# Altium PCB project_pankov_control_board.PcbDoc (part 1 of 2) (continued)
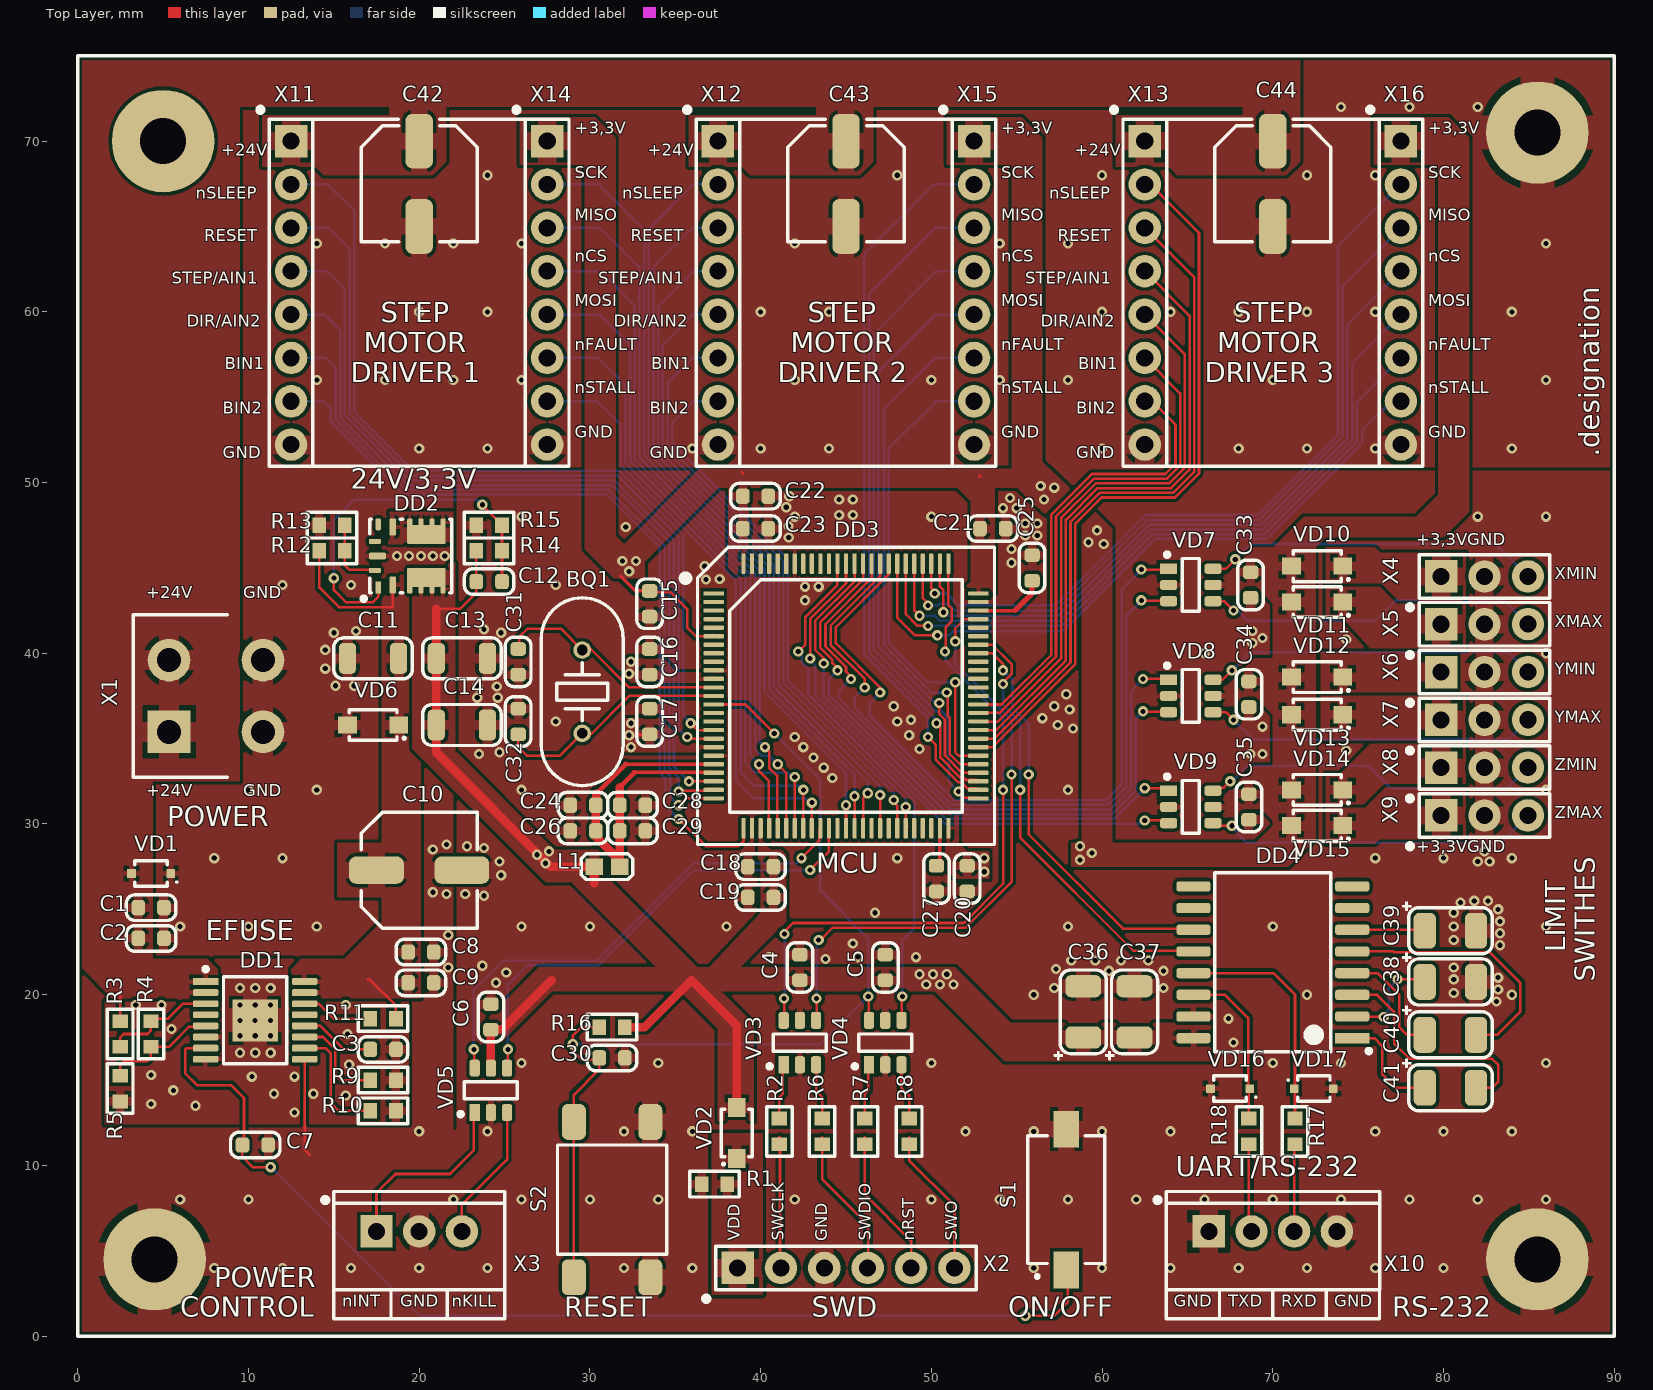
[diagram p0: Top Layer view]
## Components (designator, comment, footprint, x,y, rotation, side; value= is the part's Value field where it differs from the comment) (continued)
X14 "DS1023-1x8SF11" DS1023-1X8SF11 27.5,61.11 r270 top
X15 "DS1023-1x8SF11" DS1023-1X8SF11 52.5,61.11 r270 top
X16 "DS1023-1x8SF11" DS1023-1X8SF11 77.5,61.11 r270 top

## Footprints (in the part's own frame and the unit in brackets; to place one, negate y for a bottom-side part, rotate by r counter-clockwise, add the part's x,y. Pads: shape width x height; smd on the part's side, far side on the other; paste and mask are expansions set on the pad)
4-1775099-0 [mm] "ATX Power 4 Pins Mount Header, V/A Type"
  rect 2.5x2.5 hole 1.4: 1(-2.1,2.65)
  round 2.5 hole 1.4: 2(2.1,2.65) 3(-2.1,-2.85) 4(2.1,-2.85)
  silkscreen extent -4.75,-0.75 4.75,4.75, body extent -5.1,-6.1 4.75,4.8, height 12.8
BLM-2-0603 [mm] "Chip Inductor, 2-Leads, Body 1,60x0,80mm, IPC Medium Density"
  rect 1.02x0.98 smd: 1(-0.74,0) 2(0.74,0)
  silkscreen extent -1.5,-0.75 1.5,0.75, body extent -0.8,-0.37 0.8,0.38, height 0.8
C0603 [mm] "Chip Capacitor, 2-Leads, Body 1,60x0,80mm, IPC Medium Density"
  rrect50% 0.8x0.9 smd: 1(-0.75,0) 2(0.75,0)
  silkscreen extent -1.45,-0.75 1.45,0.75, body extent -0.8,-0.4 0.8,0.4, height 0.8
C1206 [mm] "Chip Capacitor, 2-Leads, Body 3,20x1,60mm, IPC Medium Density"
  rrect50% 1x1.8 smd: 1(-1.5,0) 2(1.5,0)
  silkscreen extent -2.3,-1.2 2.3,1.2, body extent -1.6,-0.8 1.6,0.8, height 0.78
C3216-18 [mm] "Chip Tantalum Capacitor, 2-Leads, Body 3,20x1,60mm, IPC Medium Density"
  rrect50% 1.3x2.1 smd: 1(-1.5,0) 2(1.5,0)
  silkscreen extent -2.8,-1.35 2.45,1.7, body extent -1.7,-0.95 1.7,0.95, height 1.83
CAPAE-660X660X800 [mm] "Aluminum Electrolytic Capacitor, Body 6,60x6,60x8,00mm, IPC Low Density"
  rrect50% 3.2x1.6 smd: 1(-2.5,0) 2(2.5,0)
  silkscreen extent -3.4,-3.4 3.4,3.4, body extent -3.65,-3.3 3.65,3.3, height 7.7
DS1021-1X3SF11-B [mm] "PLS 3 Pins 2,54mm Plug Header V/T Type"
  rect 1.9x1.9 hole 1: 1(-2.54,0)
  round 1.9 hole 1: 2(0,0) 3(2.545,0.005)
  silkscreen extent -4.37,-1.8 3.82,1.28, body extent -3.81,-1.27 3.81,1.27, height 8.59
DS1021-1X6SF11-B [mm] "PLS 6 Pins 2,54mm Plug Header V/T Type"
  rect 1.9x1.9 hole 1: 1(-6.35,0)
  round 1.9 hole 1: 2(-3.81,0) 3(-1.27,0) 4(1.27,0) 5(3.81,0) 6(6.35,0)
  silkscreen extent -8.18,-1.8 7.62,1.27, body extent -7.62,-1.27 7.62,1.27, height 8.54
DS1023-1X8SF11 [mm] "PBS 8 Pins 2,54mm Socket Header V/T Blanking Type"
  rect 1.9x1.9 hole 1: 1(-8.89,0)
  round 1.9 hole 1: 2(-6.35,0) 3(-3.81,0) 4(-1.27,0) 5(1.27,0) 6(3.81,0) 7(6.35,0) 8(8.89,0)
  silkscreen extent -10.72,-1.8 10.17,1.28, body extent -10.16,-1.27 10.16,1.27, height 8.5
DS1069-3MVW6X [mm] "CWF 3 Pins Plug Header, Pitch 2,5mm, V/T Type"
  rect 1.9x1.9 hole 1: 1(-2.499,0.537)
  round 1.9 hole 1: 2(0.001,0.537) 3(2.501,0.537)
  silkscreen extent -5.5,-2.87 5,2.87, body extent -5,-2.87 5,2.87, height 7
DS1069-4MVW6X [mm] "CWF 4 Pins Plug Header, Pitch 2,5mm, V/T Type"
  rect 1.9x1.9 hole 1: 1(-3.75,0.538)
  round 1.9 hole 1: 2(-1.25,0.538) 3(1.25,0.538) 4(3.75,0.538)
  silkscreen extent -6.75,-2.87 6.25,2.88, body extent -6.25,-2.87 6.25,2.88, height 7
FSM4JSMA [mm]
  rrect50% 2.1x1.4 smd: 1(-4.55,2.24) 1(4.55,2.24) 2(-4.55,-2.24) 2(4.55,-2.24)
  silkscreen extent -3.2,-3.2 3.2,3.2, body extent -5,-3 5,3, height 5.13
HC-49/US [mm] "HC-49/US Quartz Crystall"
  round 1.03 hole 0.63: 1(-2.44,0) 2(2.44,0)
  silkscreen extent -5.5,-2.4 5.5,2.4, body extent -5.4,-2.3 5.4,2.3, height 3.53
HTSSOP-16-P65-500X440X120-L63X25-T246X266 [mm] "HTSSOP, 16-Leads, Body 5,00x4,40mm, Pitch 0,65mm, Thermal Pad 2,46x2,66mm, IPC Medium Density"
  rect 2.66x2.46 smd: 0(0,0)
  rect 1.5x0.4 smd: 1(-2.9,2.275)
  rrect50% 1.5x0.4 smd: 2(-2.9,1.625) 3(-2.9,0.975) 4(-2.9,0.325) 5(-2.9,-0.325) 6(-2.9,-0.975) 7(-2.9,-1.625) 8(-2.9,-2.275) 9(2.9,-2.275) 10(2.9,-1.625) 11(2.9,-0.975) 12(2.9,-0.325) 13(2.9,0.325) 14(2.9,0.975) 15(2.9,1.625) 16(2.9,2.275)
  silkscreen extent -3.02,-2.55 1.85,3.12, body extent -3.2,-2.5 3.2,2.5, height 1.2
LQFP-100-P50-1400X1400X160-L60X22 [mm] "LQFP, 100-Leads, Body 14,00x14,00mm, Pitch 0,50mm, IPC Medium Density"
  rect 1.2x0.25 smd: 1(-7.75,6)
  rrect50% 1.2x0.25 smd: 2(-7.75,5.5) 3(-7.75,5) 4(-7.75,4.5) 5(-7.75,4) 6(-7.75,3.5) 7(-7.75,3) 8(-7.75,2.5) 9(-7.75,2) 10(-7.75,1.5) 11(-7.75,1) 12(-7.75,0.5) 13(-7.75,0) 14(-7.75,-0.5) 15(-7.75,-1) 16(-7.75,-1.5) 17(-7.75,-2) 18(-7.75,-2.5) 19(-7.75,-3) 20(-7.75,-3.5) 21(-7.75,-4) 22(-7.75,-4.5) 23(-7.75,-5) 24(-7.75,-5.5) 25(-7.75,-6) 51(7.75,-6) 52(7.75,-5.5) 53(7.75,-5) 54(7.75,-4.5) 55(7.75,-4) 56(7.75,-3.5) 57(7.75,-3) 58(7.75,-2.5) 59(7.75,-2) 60(7.75,-1.5) 61(7.75,-1) 62(7.75,-0.5) 63(7.75,0) 64(7.75,0.5) 65(7.75,1) 66(7.75,1.5) 67(7.75,2) 68(7.75,2.5) 69(7.75,3) 70(7.75,3.5) 71(7.75,4) 72(7.75,4.5) 73(7.75,5) 74(7.75,5.5) 75(7.75,6)
  rrect50% 0.25x1.2 smd: 26(-6,-7.75) 27(-5.5,-7.75) 28(-5,-7.75) 29(-4.5,-7.75) 30(-4,-7.75) 31(-3.5,-7.75) 32(-3,-7.75) 33(-2.5,-7.75) 34(-2,-7.75) 35(-1.5,-7.75) 36(-1,-7.75) 37(-0.5,-7.75) 38(0,-7.75) 39(0.5,-7.75) 40(1,-7.75) 41(1.5,-7.75) 42(2,-7.75) 43(2.5,-7.75) 44(3,-7.75) 45(3.5,-7.75) 46(4,-7.75) 47(4.5,-7.75) 48(5,-7.75) 49(5.5,-7.75) 50(6,-7.75) 76(6,7.75) 77(5.5,7.75) 78(5,7.75) 79(4.5,7.75) 80(4,7.75) 81(3.5,7.75) 82(3,7.75) 83(2.5,7.75) 84(2,7.75) 85(1.5,7.75) 86(1,7.75) 87(0.5,7.75) 88(0,7.75) 89(-0.5,7.75) 90(-1,7.75) 91(-1.5,7.75) 92(-2,7.75) 93(-2.5,7.75) 94(-3,7.75) 95(-3.5,7.75) 96(-4,7.75) 97(-4.5,7.75) 98(-5,7.75) 99(-5.5,7.75) 100(-6,7.75)
  silkscreen extent -9.6,-8.7 8.7,8.7, body extent -8,-8 8,8, height 1.6
QFN-FCMOD-9-P65-450X400X210 [mm] "QFN-FCMOD, 9-Leads, Body 4,50x4,00mm, Pitch 0,65mm, IPC Medium Density"
  rect 0.7x0.3 smd: 1(-1.85,1.9)
  rrect50% 1x0.4 smd: 2(-1.7,1.05) 5(1.7,1.05)
  rrect50% 0.5x0.3 smd: 3(-1.95,-1.9) 3(-1.95,-1.25) 3(-1.95,-0.6) 3(-1.95,0.05) 4(1.95,-1.9) 4(1.95,-1.25) 4(1.95,-0.6) 4(1.95,0.05)
  rrect10% 1.125x2.25 smd: 3(-1.26,-0.925) 4(1.26,-0.925)
  rrect50% 0.7x0.3 smd: 6(1.85,1.9)
  rrect50% 0.3x0.7 smd: 7(0.85,2.1) 9(-0.85,2.1)
  rrect50% 0.4x1 smd: 8(0,1.95)
  silkscreen extent -2.62,-2.4 2.15,2.87, body extent -2,-2.25 2,2.25, height 2.1
R0603 [mm] "Chip Resistor, 2-Leads, Body 1,60x0,80mm, IPC Medium Density"
  rect 0.8x0.9 smd: 1(-0.75,0) 2(0.75,0)
  silkscreen extent -1.45,-0.75 1.45,0.75, body extent -0.77,-0.43 0.78,0.43, height 0.43
SDA01H1SBD [mm]
  rect 2.15x1.5 smd: 1(-4.125,0) 2(4.125,0)
  silkscreen extent -4.6,-2.26 3.74,2.26, body extent -4.65,-2.26 4.65,2.26, height 5.44
SOD-123FL-370X165X98 [mm] "SODFL, 2-Leads, Body 3,70x1,65mm, IPC Medium Density"
  rect 1.1x1 smd: 1(-1.5,0) 2(1.5,0)
  silkscreen extent -1.87,-0.9 1.4,0.9, body extent -1.8,-0.82 1.8,0.83, height 0.95
SOD-323-257X130X114 [mm] "SOD, 2-Leads, Body 2,57x1,30mm, IPC Medium Density"
  rect 0.5x0.5 smd: 1(-1.15,0) 2(1.15,0)
  silkscreen extent -1.55,-0.75 0.95,0.75, body extent -1.3,-0.67 1.3,0.68, height 1.1
SOIC-16-P127-1030X750X265-L84X41 [mm] "SOIC, 16-Leads, Body 10,30x7,50mm, Pitch 1,27mm, IPC Medium Density"
  rect 2x0.6 smd: 1(-4.65,4.445)
  rrect50% 2x0.6 smd: 2(-4.65,3.175) 3(-4.65,1.905) 4(-4.65,0.635) 5(-4.65,-0.635) 6(-4.65,-1.905) 7(-4.65,-3.175) 8(-4.65,-4.445) 9(4.65,-4.445) 10(4.65,-3.175) 11(4.65,-1.905) 12(4.65,-0.635) 13(4.65,0.635) 14(4.65,1.905) 15(4.65,3.175) 16(4.65,4.445)
  silkscreen extent -5.75,-5.25 3.4,5.32, body extent -5.24,-5.17 5.24,5.18, height 2.65
SOT-23-6-P95-290X280X145 [mm] "SOT-23, 6-Leads, Body 2,90x2,80mm, Pitch 0,95mm, IPC Medium Density"
  rect 1x0.6 smd: 1(-1.3,0.95)
  rrect50% 1x0.6 smd: 2(-1.3,0) 3(-1.3,-0.95) 4(1.3,-0.95) 5(1.3,0) 6(1.3,0.95)
  silkscreen extent -1.52,-1.55 0.5,1.9, body extent -1.4,-1.45 1.4,1.45, height 1.45

## Part data
BQ1: library part bq0005, "=Описание", HelpURL=https://ecsxtal.com/hc-49usx, ID=bq0005, Корпус=HC-49/US, Наименование=ECS-120-20-4X-DU, Описание="Кварцевый резонатор 12 МГц нагрузочные конденсаторы 20 пФ", Производитель="ECS, Inc. International", Фамилия=Паньков, Частотa="12 МГц", Частота="12 МГц"
C1 C8: library part c0065, "=Описание", HelpURL=https://www.yageo.com/upload/media/product/productsearch/datasheet/mlcc/UPY-GPHC_X7R_6.3V-to-50V_20.pdf, ID=c0065, Корпус=0603, Наименование=CC0603KRX7R9BB104, Напряжение="50 В", Номинал="0,1 мк", Номинальное напряжение="50 В", Описание="Конденсатор керамический чип 0603 100 нФ 50 В ±10 %", Отклонение="±10 %", Производитель="YAGEO Corp.", Рабочие температуры="от –55 °С до +125 °С", Температурный коэффициент емкости=X7R, Фамилия=Паньков
C2 C9: library part c0095, "=Описание", HelpURL=https://www.yageo.com/upload/media/product/productsearch/datasheet/mlcc/UPY-GPHC_X7R_6.3V-to-50V_20.pdf, ID=c0095, Корпус=0603, Наименование=CC0603KRX7R9BB105, Напряжение="50 В", Номинал="1 мк", Номинальное напряжение="50 В", Описание="Конденсатор керамический чип 0603 1 мкФ 50 В ±10 %", Отклонение="±10 %", Производитель="YAGEO Corp.", Рабочие температуры="от –55 °С до +125 °С", Температурный коэффициент емкости=X7R, Фамилия=Паньков
C3: library part c0100, "=Описание", HelpURL=https://www.yageo.com/upload/media/product/productsearch/datasheet/mlcc/UPY-GPHC_X7R_6.3V-to-50V_20.pdf, ID=c0100, Корпус=0603, Наименование=CC0603KRX7R6BB225, Напряжение="10 В", Номинал="2,2 мк", Номинальное напряжение="10 В", Описание="Конденсатор керамический чип 0603 2,2 мкФ 10 В ±10 %", Отклонение="±10 %", Производитель="YAGEO Corp.", Рабочие температуры="от –55 °С до +125 °С", Температурный коэффициент емкости=X7R, Фамилия=Чернов
C4 C5 C6 C33 C34 C35: library part c0077, "=Описание", HelpURL=https://www.yageo.com/upload/media/product/productsearch/datasheet/mlcc/UPY-GPHC_X7R_6.3V-to-50V_20.pdf, ID=c0077, Корпус=0603, Наименование=CC0603KRX7R6BB104, Напряжение="10 В", Номинал="0,1 мк", Номинальное напряжение="10 В", Описание="Конденсатор керамический чип 0603 100 нФ 10 В ±10 %", Отклонение="±10 %", Производитель="YAGEO Corp.", Рабочие температуры="от –55 °С до +125 °С", Температурный коэффициент емкости=X7R, Фамилия=Паньков
C7 C30: library part c0057, "=Описание", HelpURL=https://www.yageo.com/upload/media/product/productsearch/datasheet/mlcc/UPY-GPHC_X7R_6.3V-to-50V_20.pdf, ID=c0057, Корпус=0603, Наименование=CC0603KRX7R6BB104, Напряжение="10 В", Номинал="0,1 мк", Номинальное напряжение="10 В", Описание="Конденсатор керамический чип 0603 100 нФ 10 В ±10 %", Отклонение="±10 %", Производитель="YAGEO Corp.", Рабочие температуры="от –55 °С до +125 °С", Температурный коэффициент емкости=X7R, Фамилия=Паньков
C10 C42 C43 C44: library part c0168, "=Описание", HelpURL=https://industrial.panasonic.com/ww/products/capacitors/aluminum-capacitors/aluminum-cap-smd/models/EEEFTH101XAP, ID=c0168, Корпус="CAPAE (6,6 x 6,6 x 8,0)", Наименование=EEEFTH101XAP, Напряжение="50 В", Номинал="100 мк", Номинальное напряжение="50 В", Описание="Конденсатор электролитический алюминиевый 100 мкФ 50 В ±20 %", Отклонение="±20 %", Производитель="Panasonic Corporation", Рабочие температуры="от –55 °С до +105 °С", Среднеквадратичный размах пульсации тока="0,35 А", Фамилия=Паньков, Эквивалентное последовательное сопротивление="0,34 Ом"
C11: library part c0148, "=Описание", HelpURL=https://www.yageo.com/upload/media/product/productsearch/datasheet/mlcc/UPY-GPHC_X5R_4V-to-50V_26.pdf, ID=c0148, Корпус=1206, Наименование=CC1206KKX5R9BB106, Напряжение="50 В", Номинал="10 мк", Номинальное напряжение="50 В", Описание="Конденсатор керамический чип 1206 10 мкФ 50 В ±10 %", Отклонение="±10 %", Производитель="YAGEO Corp.", Рабочие температуры="от –55 °С до +85 °С", Температурный коэффициент емкости=X5R, Фамилия=Самарин
C12: library part c0023, "=Описание", HelpURL=https://www.yageo.com/upload/media/product/productsearch/datasheet/mlcc/UPY-GP_NP0_16V-to-50V_18.pdf, ID=c0023, Корпус=0603, Наименование=CC0603FRNPO9BN101, Напряжение="50 В", Номинал=100, Номинальное напряжение="50 В", Описание="Конденсатор керамический чип 0603 100 пФ 50 В ±1 %", Отклонение="±1 %", Производитель="YAGEO Corp.", Рабочие температуры="от –55 °С до +125 °С", Температурный коэффициент емкости=C0G, Фамилия=Паньков
C13 C14: library part c0166, "=Описание", HelpURL=https://www.yageo.com/upload/media/product/productsearch/datasheet/mlcc/UPY-GPHC_X5R_4V-to-50V_26.pdf, ID=c0166, Корпус=1206, Наименование=CC1206MKX5R7BB476, Напряжение="16 В", Номинал="47 мк", Номинальное напряжение="16 В", Описание="Конденсатор керамический чип 1206 47 мкФ 16 В ±20 %", Отклонение="±20 %", Производитель="YAGEO Corp.", Рабочие температуры="от –55 °С до +85 °С", Температурный коэффициент емкости=X5R, Фамилия=Паньков
C15 C24 C28: library part c0086, "=Описание", HelpURL=https://www.yageo.com/upload/media/product/productsearch/datasheet/mlcc/UPY-GPHC_X7R_6.3V-to-50V_20.pdf, ID=c0086, Корпус=0603, Наименование=CC0603KRX7R6BB105, Напряжение="10 В", Номинал="1 мк", Номинальное напряжение="10 В", Описание="Конденсатор керамический чип 0603 1 мкФ 10 В ±10 %", Отклонение="±10 %", Производитель="YAGEO Corp.", Рабочие температуры="от –55 °С до +125 °С", Температурный коэффициент емкости=X7R, Фамилия=Паньков
C16 C17 C18 C19 C20 C21 C22 C23: library part c0054, "=Описание", HelpURL=https://www.yageo.com/upload/media/product/productsearch/datasheet/mlcc/UPY-GPHC_X7R_6.3V-to-50V_20.pdf, ID=c0054, Корпус=0603, Наименование=CC0603KRX7R6BB104, Напряжение="10 В", Номинал="0,1 мк", Номинальное напряжение="10 В", Описание="Конденсатор керамический чип 0603 100 нФ 10 В ±10 %", Отклонение="±10 %", Производитель="YAGEO Corp.", Рабочие температуры="от –55 °С до +125 °С", Температурный коэффициент емкости=X7R, Фамилия=Паньков
C25 C27: library part c0097, "=Описание", HelpURL=https://www.yageo.com/upload/media/product/productsearch/datasheet/mlcc/UPY-GPHC_X7R_6.3V-to-50V_20.pdf, ID=c0097, Корпус=0603, Наименование=CC0603KRX7R6BB225, Напряжение="10 В", Номинал="2,2 мк", Номинальное напряжение="10 В", Описание="Конденсатор керамический чип 0603 2,2 мкФ 10 В ±10 %", Отклонение="±10 %", Производитель="YAGEO Corp.", Рабочие температуры="от –55 °С до +125 °С", Температурный коэффициент емкости=X7R, Фамилия=Чернов
C26 C29: library part c0033, "=Описание", HelpURL=https://www.yageo.com/upload/media/product/productsearch/datasheet/mlcc/UPY-GPHC_X7R_6.3V-to-50V_20.pdf, ID=c0033, Корпус=0603, Наименование=CC0603KRX7R6BB103, Напряжение="10 В", Номинал="0,01 мк", Номинальное напряжение="10 В", Описание="Конденсатор керамический чип 0603 10 нФ 10 В ±10 %", Отклонение="±10 %", Производитель="YAGEO Corp.", Рабочие температуры="от –55 °С до +125 °С", Температурный коэффициент емкости=X7R, Фамилия=Паньков
C31 C32: library part c0019, "=Описание", HelpURL=https://www.yageo.com/upload/media/product/productsearch/datasheet/mlcc/UPY-GP_NP0_16V-to-50V_18.pdf, ID=c0019, Корпус=0603, Наименование=CC0603FRNPO9BN200, Напряжение="50 В", Номинал=20, Номинальное напряжение="50 В", Описание="Конденсатор керамический чип 0603 20 пФ 50 В ±1 %", Отклонение="±1 %", Производитель="YAGEO Corp.", Рабочие температуры="от –55 °С до +125 °С", Температурный коэффициент емкости=C0G, Фамилия=Паньков
C36 C38 C39 C40 C41: library part c0014, "=Описание", HelpURL=https://www.vishay.com/capacitors/list/product-40002/, ID=c0014, Корпус=3216-18, Наименование=293D105X9025A2TE3, Напряжение="25 В", Номинал="1 мк", Номинальное напряжение="25 В", Описание="Конденсатор танталовый чип 3216-18 1 мкФ 25 В ±10 %", Отклонение="±10 %", Производитель="Vishay Intertechnology, Inc.", Рабочие температуры="от –55 °С до +125 °С", Среднеквадратичный размах пульсации тока="0,10 А", Фамилия=Ларионов, Эквивалентное последовательное сопротивление="7,6 Ом"
C37: library part c0001, "=Описание", HelpURL=https://www.vishay.com/capacitors/list/product-40002/, ID=c0001, Корпус=3216-18, Наименование=293D104X9050A2TE3, Напряжение="50 В", Номинал="0,1 мк", Номинальное напряжение="50 В", Описание="Конденсатор танталовый чип 3216-18 100 нФ 50 В ±10 %", Отклонение="±10 %", Производитель="Vishay Intertechnology, Inc.", Рабочие температуры="от –55 °С до +125 °С", Среднеквадратичный размах пульсации тока="0,06 А", Фамилия=Ларионов, Эквивалентное последовательное сопротивление="19,0 Ом"
DD1: library part dd0005, "=Описание", HelpURL=https://www.ti.com/product/TPS2640, ID=dd0005, Корпус=HTSSOP-16, Максимальное напряжение="55 В", Наименование=TPS26400PWPR, Напряжение="от 4,2 В до 42 В", Описание="Защитная микросхема eFuse 42 В и 2 А", Производитель="Texas Instruments Inc.", Рабочие температуры="от –40 °С до +125 °С", Ток="от 0,1 А до 2,23 А", Фамилия=Паньков
DD2: library part dd0020, "=Описание", HelpURL=https://www.ti.com/product/TPSM84209, ID=dd0020, Входное напряжение="от 4,5 В до 28 В", Выходное напряжение="от 1,2 В до 6 В", Коммутируемый ток="до 2,5 А", Корпус=QFN-FCMOD-9, Наименование=TPSM84209RKHT, Описание="Понижающий преобразователь напряжения 28 В и 2,5 А", Производитель="Texas Instruments Inc.", Рабочие температуры="от –40 °С до +85 °С", Фамилия=Паньков, Частота переключения="от 578 кГц до 923 кГц"
DD3: library part dd0001, "=Описание", HelpURL=https://www.st.com/en/microcontrollers-microprocessors/stm32f407vg.html, ID=dd0001, Корпус=LQFP-100, Максимальная тактовая частота="168 МГц", Наименование=STM32F407VGT6, Описание="ARM Cortex-M4 32-разрядный микроконтроллер 168 МГц 1 Мбайт FLASH-памяти", Поддерживаемые интерфейсы="CAN, I2C, SDIO, I2S/SPI, UART/USART, USB", Производитель=STMicroelectronics, Рабочее напряжение="от 1,8 В до 3,6 В", Рабочие температуры="от –40 °С до +85 °С", Фамилия=Паньков
DD4: library part dd0014, "=Описание", HelpURL=https://www.ti.com/product/MAX232, ID=dd0014, Корпус=SOIC-16, Наименование=MAX232DW, Описание="Приемопередатчик RS-232", Производитель="Texas Instruments Inc.", Рабочие температуры="от 0 до +70 °C", Фамилия=Паньков
L1: library part l0001, "=Описание", HelpURL=https://www.murata.com/en-global/products/productdetail?partno=BLM18KG221SH1%23, ID=l0001, Корпус=0603, Наименование=BLM18KG221SH1D, Описание="Ферритовая бусина 220 Ом ±25 %", Отклонение, 100 МГц="±25 %", Производитель="Murata Manufacturing Co., Ltd.", Рабочие температуры="от –55 °С до +125 °С", Сопротивление, 100 МГц="220 Ом", Сопротивление при постоянном токе="0,05 Ом", Фамилия=Ларионов
R1 R11 R12 R14 R16: library part r0105, "=Описание", HelpURL=https://www.yageo.com/upload/media/product/productsearch/datasheet/rchip/PYu-RC_Group_51_RoHS_L_11.pdf, ID=r0105, Корпус=0603, Наименование=RC0603FR-0710KL, Номинал="10 к", Номинальное напряжение="75 В", Номинальный ток="1 А", Описание="Резистор чип 0603 10 кОм ±1 % 0,1 Вт", Отклонение="±1 %", Примечание="Ряд E24", Производитель="YAGEO Corp.", Рабочие температуры="от –55 °С до +155 °С", Фамилия=Самарин
R2 R6 R7 R8: library part r0034, "=Описание", HelpURL=https://www.yageo.com/upload/media/product/productsearch/datasheet/rchip/PYu-RC_Group_51_RoHS_L_11.pdf, ID=r0034, Корпус=0603, Наименование=RC0603FR-0722RL, Номинал=22, Номинальное напряжение="75 В", Номинальный ток="1 А", Описание="Резистор чип 0603 22 Ом ±1 % 0,1 Вт", Отклонение="±1 %", Примечание="Ряд E24", Производитель="YAGEO Corp.", Рабочие температуры="от –55 °С до +155 °С", Фамилия=Ларионов
R3: library part r0157, "=Описание", HelpURL=https://www.yageo.com/upload/media/product/productsearch/datasheet/rchip/PYu-RC_Group_51_RoHS_L_11.pdf, ID=r0157, Корпус=0603, Наименование=RC0603FR-07270KL, Номинал="270 к", Номинальное напряжение="75 В", Номинальный ток="1 А", Описание="Резистор чип 0603 270 кОм ±1 % 0,1 Вт", Отклонение="±1 %", Примечание="Ряд E24", Производитель="YAGEO Corp.", Рабочие температуры="от –55 °С до +155 °С", Фамилия=Паньков
R4: library part r0086, "=Описание", HelpURL=https://www.yageo.com/upload/media/product/productsearch/datasheet/rchip/PYu-RC_Group_51_RoHS_L_11.pdf, ID=r0086, Корпус=0603, Наименование=RC0603FR-072K4L, Номинал="2,4 к", Номинальное напряжение="75 В", Номинальный ток="1 А", Описание="Резистор чип 0603 2,4 кОм ±1 % 0,1 Вт", Отклонение="±1 %", Примечание="Ряд E24", Производитель="YAGEO Corp.", Рабочие температуры="от –55 °С до +155 °С", Фамилия=Паньков
R5: library part r0110, "=Описание", HelpURL=https://www.yageo.com/upload/media/product/productsearch/datasheet/rchip/PYu-RC_Group_51_RoHS_L_11.pdf, ID=r0110, Корпус=0603, Наименование=RC0603FR-0713KL, Номинал="13 к", Номинальное напряжение="75 В", Номинальный ток="1 А", Описание="Резистор чип 0603 13 кОм ±1 % 0,1 Вт", Отклонение="±1 %", Примечание="Ряд E24", Производитель="YAGEO Corp.", Рабочие температуры="от –55 °С до +155 °С", Фамилия=Жернаков
R9: library part r0118, "=Описание", HelpURL=https://www.yageo.com/upload/media/product/productsearch/datasheet/rchip/PYu-RC_Group_51_RoHS_L_11.pdf, ID=r0118, Корпус=0603, Наименование=RC0603FR-0724KL, Номинал="24 к", Номинальное напряжение="75 В", Номинальный ток="1 А", Описание="Резистор чип 0603 24 кОм ±1 % 0,1 Вт", Отклонение="±1 %", Примечание="Ряд E24", Производитель="YAGEO Corp.", Рабочие температуры="от –55 °С до +155 °С", Фамилия=Паньков
R10 R13: library part r0131, "=Описание", HelpURL=https://www.yageo.com/upload/media/product/productsearch/datasheet/rchip/PYu-RC_Group_51_RoHS_L_11.pdf, ID=r0131, Корпус=0603, Наименование=RC0603FR-0751KL, Номинал="51 к", Номинальное напряжение="75 В", Номинальный ток="1 А", Описание="Резистор чип 0603 51 кОм ±1 % 0,1 Вт", Отклонение="±1 %", Примечание="Ряд E24", Производитель="YAGEO Corp.", Рабочие температуры="от –55 °С до +155 °С", Фамилия=Паньков
R15: library part r0085, "=Описание", HelpURL=https://www.yageo.com/upload/media/product/productsearch/datasheet/rchip/PYu-RC_Group_51_RoHS_L_11.pdf, ID=r0085, Корпус=0603, Наименование=RC0603FR-072K2L, Номинал="2,2 к", Номинальное напряжение="75 В", Номинальный ток="1 А", Описание="Резистор чип 0603 2,2 кОм ±1 % 0,1 Вт", Отклонение="±1 %", Примечание="Ряд E24", Производитель="YAGEO Corp.", Рабочие температуры="от –55 °С до +155 °С", Фамилия=Паньков
R17 R18: library part r0004, "=Описание", HelpURL=https://www.yageo.com/upload/media/product/productsearch/datasheet/rchip/PYu-RC_Group_51_RoHS_L_11.pdf, ID=r0004, Корпус=0603, Наименование=RC0603FR-0722RL, Номинал=22, Номинальное напряжение="75 В", Номинальный ток="1 А", Описание="Резистор чип 0603 22 Ом ±1 % 0,1 Вт", Отклонение="±1 %", Примечание="Ряд E24", Производитель="YAGEO Corp.", Рабочие температуры="от –55 °С до +155 °С", Фамилия=Ларионов
S1: library part s0005, "=Описание", HelpURL=https://www.ckswitches.com/products/switches/product-details/DIP/SDA/SDA01H1SBD/, ID=s0005, Количество контактов=2, Корпус="4,52 х 9,30 х 5,45", Наименование=SDA01H1SBD, Описание="2-х позиционный движковый переключатель", Производитель=C&K, Промывка=Запрещена, Рабочие температуры="от –40 °С до +85 °С", Сопротивление контакта="50 мОм", Ток нагрузки="100 мА @ 5 В", Фамилия=Паньков
S2: library part s0001, "=Описание", HelpURL=https://www.te.com/usa-en/product-4-1437565-1.html, ID=s0001, Количество контактов=4, Корпус="6,00 x 6,00 x 4,98", Наименование=FSM4JSMA, Описание="Тактовая кнопка поверхностного монтажа", Производитель="TE Connectivity", Промывка=Запрещена, Рабочие температуры="от –35 °С до +85 °С", Сопротивление контакта="100 мОм", Ток нагрузки="50 мА @ 24 В", Фамилия=Паньков
VD1: library part vd0007, "=Описание", HelpURL=https://www.littelfuse.com/products/tvs-diode-arrays/general-purpose-esd-protection/sdc/sd24c_01ftg.aspx, ID=vd0007, Корпус=SOD-323, Наименование=SD24C-01FTG, Описание="Двунаправленная диодная сборка для подавления помех 24 В", Производитель="Littelfuse, Inc.", Фамилия=Игнатова
VD2 VD6 VD10 VD11 VD12 VD13 VD14 VD15: library part vd0002, "=Описание", HelpURL=https://www.onsemi.com/products/discretes-drivers/diodes-rectifiers/schottky-diodes-schottky-rectifiers/mbr140sf, ID=vd0002, Корпус=SOD-123FL, Максимальное обратное напряжение="40 В", Максимальное прямое напряжение="0,88 В", Максимальный прямой ток="1 А", Наименование=MBR140SFT1G, Описание="Диод Шоттки 40 В 1 А", Производитель="ON Semiconductor", Рабочие температуры="от –55 °С до +125 °С", Фамилия=Паньков
VD3 VD4 VD5 VD7 VD8 VD9: library part vd0016, "=Описание", HelpURL=https://www.ti.com/product/TPD2S017, ID=vd0016, Корпус=SOT-23-6, Наименование=TPD2S017DBVR, Описание="Диодная сборка для подавления помех 5 В", Производитель="Texas Instruments Inc.", Фамилия=Паньков
VD16 VD17: library part vd0004, "=Описание", HelpURL=https://www.littelfuse.com/products/tvs-diode-arrays/general-purpose-esd-protection/sdc/sd12c_01ftg.aspx, ID=vd0004, Корпус=SOD-323, Наименование=SD12C-01FTG, Описание="Двунаправленная диодная сборка для подавления помех 12 В", Производитель="Littelfuse, Inc.", Фамилия=Ларионов
X1: library part x0006, "=Описание", Contact_1=+24V, Contact_2=+24V, Contact_3=GND, Contact_4=GND, HelpURL=https://www.te.com/usa-en/product-4-1775099-0.html, ID=x0006, Наименование=4-1775099-0, Описание="ATX Power 4 pin гнездо прямой", Производитель="TE Connectivity", Фамилия=Ларионов
X2: library part x0028, "=Описание", Contact_1=+3,3V, Contact_2=SWCLK, Contact_3=GND, Contact_4=SWDIO, Contact_5=nRST, Contact_6=SWO, HelpURL=http://en.connfly.group/product/xVkr=EusQssAN0gN=Aos=mU+UrVkR9kqEAN0gN9g+WqANB+A, ID=x0028, Наименование=DS1021-1x6SF11-B, Описание="PLS 6 pin 2,54 мм вилка прямой", Производитель="Connfly Electronic Co., Ltd.", Фамилия=Паньков
X3: library part x0043, "=Описание", Contact_1=nINT, Contact_2=GND, Contact_3=nKILL, HelpURL=http://en.connfly.group/product/xVkr=EusQssAN0gN=Aos=mU+UrVkR9kqEAN0gN0MUR+g+NB+A, ID=x0043, Наименование=DS1069-3MVW6X, Описание="CWF 3 pin 2,5 мм вилка прямой", Производитель="Connfly Electronic Co., Ltd.", Фамилия=Паньков
X4 X5 X6 X7 X8 X9: library part x0026, "=Описание", Contact_1=+3,3V, Contact_2=GND, HelpURL=http://en.connfly.group/product/xVkr=EusQssAN0gN=Aos=mU+UrVkR9kqEAN0gN9g+WqANB+A, ID=x0026, Наименование=DS1021-1x3SF11-B, Описание="PLS 3 pin 2,54 мм вилка прямой", Производитель="Connfly Electronic Co., Ltd.", Фамилия=Паньков
  X4: Contact_3=XMIN
  X5: Contact_3=XMAX
  X6: Contact_3=YMIN
  X7: Contact_3=YMAX
  X8: Contact_3=ZMIN
  X9: Contact_3=ZMAX
X10: library part x0045, "=Описание", Contact_1=GND, Contact_2=TX, Contact_3=RX, Contact_4=GND, HelpURL=http://en.connfly.group/product/xVkr=EusQssAN0gN=Aos=mU+UrVkR9kqEAN0gN0MUR+g+NB+A, ID=x0045, Наименование=DS1069-4MVW6X, Описание="CWF 4 pin 2,5 мм вилка прямой", Производитель="Connfly Electronic Co., Ltd.", Фамилия=Паньков
X11 X12 X13 X14 X15 X16: library part x0036, "=Описание", Contact_8=GND, HelpURL=http://en.connfly.group/product/xVkr=EusQssAN0gN=Aos=mU+UrVkR9kqEAN0gN0AUCUNB+A, ID=x0036, Наименование=DS1023-1x8SF11, Описание="PBS 8 pin 2,54 мм гнездо прямой", Производитель="Connfly Electronic Co., Ltd.", Фамилия=Паньков
  X11 X12 X13: Contact_1=+24V, Contact_2=nSLEEP, Contact_3=RESET, Contact_4=STEP/AIN1, Contact_5=DIR/AIN2, Contact_6=BIN1, Contact_7=BIN2
  X14 X15 X16: Contact_1=+3,3V, Contact_2=SCK, Contact_3=MISO, Contact_4=nCS, Contact_5=MOSI, Contact_6=nFAULT, Contact_7=nSTALL

## Free pads (board coordinates)
  round 6 hole 2.7: ""(4.5,4.5) ""(5,70) ""(85.5,4.5) ""(85.5,70.5)

## Via types
v1: diameter 0.6, hole 0.3, Top Layer to Bottom Layer, tented both sides, 360 vias
v2: diameter 0.6, hole 0.3, Top Layer to Bottom Layer, 20 vias

## Nets (pads, with @x,y where several pads share a name; then routed paths per layer and width w, separated by ;. In a path a pad name is that pad's centre, name@x,y a point inside that pad or via, vN(x,y) a via of type N, cw(c..) or ccw(c..) an arc to the next point about the centre after c; other vN are vias at no path point)
0V: C3.2 DD1.0 DD1.6 DD1.8 R5.1 R9.1 R10.1
  other v1: 12.7,13.1 6.9,13.5 4.3,13.6 15.7,14.1 11.5,14.2 13.8,14.2 5.6,14.4 10.2,15.2 12.7,15.2 4.3,15.3 15.9,15.9 15.8,17.7 5.5,18 3.4,19.4 4.9,19.4 15.7,19.4
  other v2: 9.5,16.6 10.4,16.6 11.3,16.6 9.5,17.6 10.4,17.6 11.3,17.6 9.5,18.5 10.39,18.5 11.3,18.5 9.5,19.4 10.4,19.4 11.3,19.4 9.5,20.4 10.4,20.4 11.3,20.4
+3,3V: C4.1 C5.1 C6.1 C12.1 C13.1 C14.1 C15.1 C16.1 C17.1 C18.1 C19.1 C20.1 C21.1 C22.1 C23.1 C33.1 C34.1 C35.1 C36.1 C37.1 DD2.3 DD3.6 DD3.11 DD3.19 DD3.28 DD3.50 DD3.75 DD3.100 DD4.16 L1.2 R14.2 R16.2 VD2.2 VD3.5 VD4.5 VD5.5 VD7.5 VD8.5 VD9.5 VD10.2 VD11.2 VD12.2 VD13.2 VD14.2 VD15.2 X14.1 X15.1 X16.1 | length 59.4
  Top Layer w0.15: DD2.3@19.45,43.75 19.45,43.953 19.937,44.44 DD2.3@20.425,44.44 ; DD2.3@20.1,43.75 20.1,44.115 DD2.3@20.425,44.44 ; DD2.3@20.75,43.75 20.75,44.115 DD2.3@20.425,44.44 ; 21,42.6 22.4,42.6 23.35,43.55 C12.1@23.35,44.2 R14.2@23.35,46 ; C6.1@24.2,17.95 C6.1@24.225,17.975 ; v1(32.3,35.2) 32.325,35.225 33.475,35.225 C17.1@33.5,35.25 C17.1@33.55,35.25 ; C16.1@33.5,38.75 C16.1@33.675,38.575 ; C15.1@33.5,43.65 33.564,43.586 34.714,43.586 35.7,42.6 35.7,41.5 36.2,41 DD3.6@37.25,41 DD3.6@37.175,41.075 ; DD3.11@37.175,38.575 DD3.11@37.25,38.5 ; 38.9,50.6 38.95,50.55 ; C23.1@38.95,47.3 C23.1@38.975,47.275 ; DD3.100@38.975,45.275 DD3.100@39,45.25 ; C18.1@40.75,27.5 C18.1@40.75,27.55 ; DD3.75@52.75,43.5 52.775,43.5 DD3.75@52.85,43.575 ; 52.8,50.4 52.85,50.35
  Top Layer w0.2: 31.8,44.5 32.65,43.65 C15.1@33.5,43.65
  Top Layer w0.5: 21,42.6 C13.1@21,39.7 C14.1@21,35.8 21,34.2 27.7,27.5 L1.2@30.26,27.5 30.26,26.54 ; VD5.5@24.2,15.7 C6.1@24.2,17.95 ; C6.1@24.225,17.975 24.875,17.975 27.75,20.85 ; R16.2@32.05,18.1 33.2,18.1 35.95,20.85 38.6,18.2 VD2.2@38.6,13.9
  other v1: 49.7,20.6 50.5,20.6 51.3,20.6 49.3,21.2 50.1,21.2 50.9,21.2 53.1,27.2 27.4,27.7 58.7,27.9 53.1,28 26.9,28.2 59.4,28.3 27.6,28.4 58.7,28.7 32.4,34.5 32.4,35.9 32.3,38.8 32.4,39.5 32.3,44.8 31.9,45.4 32.7,45.4 60.1,46.4 59.2,46.5 59.7,47.2 56.6,49 57.2,49.7 56.4,49.8
+24V: C1.1 C2.1 C42.1 C43.1 C44.1 DD1.1 DD1.2 R3.2 VD1.2 X1.1 X1.2 X11.1 X12.1 X13.1 | length 3.6
  Top Layer w0.15: R3.2@2.49,18.45 2.49,20.45 ; C1.1@3.425,24.975 C1.1@3.55,25.1 ; DD1.2@7.415,20.2 DD1.2@7.49,20.125 ; C43.1@45,70.45 C43.1@45.7,71.15 ; C44.1@69.75,70.25 C44.1@70,70
CONN_LIMSW_XMAX: VD7.4 X5.3 | length 20
  Top Layer w0.15: VD7.4@66.5,43.05 67.15,43.05 v1(67.7,42.5)
  Bottom Layer w0.15: v1(67.7,42.5) 67.922,42.5 68.522,41.9 76,41.9 77.2,43.1 83.55,43.1 X5.3@84.945,41.705
CONN_LIMSW_XMIN: VD7.6 X4.3 | length 19.8
  Top Layer w0.15: VD7.6@66.5,44.95 67.25,44.95 v1(67.8,45.5)
  Bottom Layer w0.15: v1(67.8,45.5) 68.7,46.4 83.05,46.4 X4.3@84.945,44.505
CONN_LIMSW_YMAX: VD8.4 X7.3 | length 19.6
  Top Layer w0.15: VD8.4@66.5,36.55 67.25,36.55 v1(67.7,36.1)
  Bottom Layer w0.15: v1(67.7,36.1) 68.85,34.95 83.79,34.95 X7.3@84.945,36.105
CONN_LIMSW_YMIN: VD8.6 X6.3 | length 19.6
  Top Layer w0.15: VD8.6@66.5,38.45 67.05,38.45 v1(67.6,39)
  Bottom Layer w0.15: v1(67.6,39) 68.65,40.05 83.8,40.05 X6.3@84.945,38.905
CONN_LIMSW_ZMAX: VD9.4 X9.3 | length 19.7
  Top Layer w0.15: VD9.4@66.5,30.05 66.65,29.9 v1(67.6,29.9)
  Bottom Layer w0.15: v1@67.5,29.9 68.5,28.9 83.34,28.9 X9.3@84.945,30.505
CONN_LIMSW_ZMIN: VD9.6 X8.3 | length 20.1
  Top Layer w0.15: VD9.6@66.5,31.95 66.675,32.125 67.125,32.125 v1(67.5,32.5)
  Bottom Layer w0.15: v1(67.5,32.5) 67.6,32.5 68.5,33.4 75.6,33.4 76.9,32.1 83.74,32.1 X8.3@84.945,33.305
CONN_nINT: VD5.1 X3.1 | length 11.2
  Top Layer w0.15: X3.1@17.501,6.137 17.501,8.401 18.6,9.5 21.8,9.5 23.2,10.9 23.2,13.05 VD5.1@23.25,13.1
CONN_nKILL: VD5.3 X3.3 | length 8.1
  Top Layer w0.15: X3.3@22.501,6.137 22.501,7.701 25.15,10.35 VD5.3@25.15,13.1
CONN_nRST: R7.1 X2.5 | length 8.8
  Top Layer w0.15: R7.1@46.1,11.65 46.1,8.3 48.815,5.585 X2.5@48.815,4
CONN_RS232_RXD: DD4.13 R17.2 VD17.1 | length 13.8
  Top Layer w0.15: DD4.13@65.35,21.265 70.035,21.265 71.3,20 71.3,13.05 R17.2@71.6,12.75
CONN_RS232_TXD: DD4.14 R18.2 VD16.1 | length 9.7
  Top Layer w0.15: DD4.14@65.35,19.995 67.205,19.995 68.55,18.65 68.55,14.5 68.6,14.45 R18.2@68.6,12.75
CONN_SWCLK: R2.1 X2.2 | length 7.7
  Top Layer w0.15: R2.1@41.1,11.65 41.135,11.615 X2.2@41.135,3.94
CONN_SWDIO: R6.1 X2.4 | length 8.9
  Top Layer w0.15: R6.1@43.49,11.54 43.6,11.65 43.6,9.2 46.3,6.5 46.3,4.025 X2.4@46.275,4
CONN_SWO: R8.1 X2.6 | length 8.7
  Top Layer w0.15: R8.1@48.7,11.65 48.7,10.3 51.355,7.645 X2.6@51.355,4